# Altium PCB Hotbuton_timer.PcbDoc (part 1 of 2)
Units mm, origin at the board's own origin, x right, y up, seen from the top; angles counter-clockwise.
Board outline 110 x 110 mm, 2 copper layers (Top Layer, Bottom Layer), stack 1.448 mm thick; 464 components, 240 nets, 1320 pads, 0 vias.
Unrouted connection lines stored in the file: 1043.
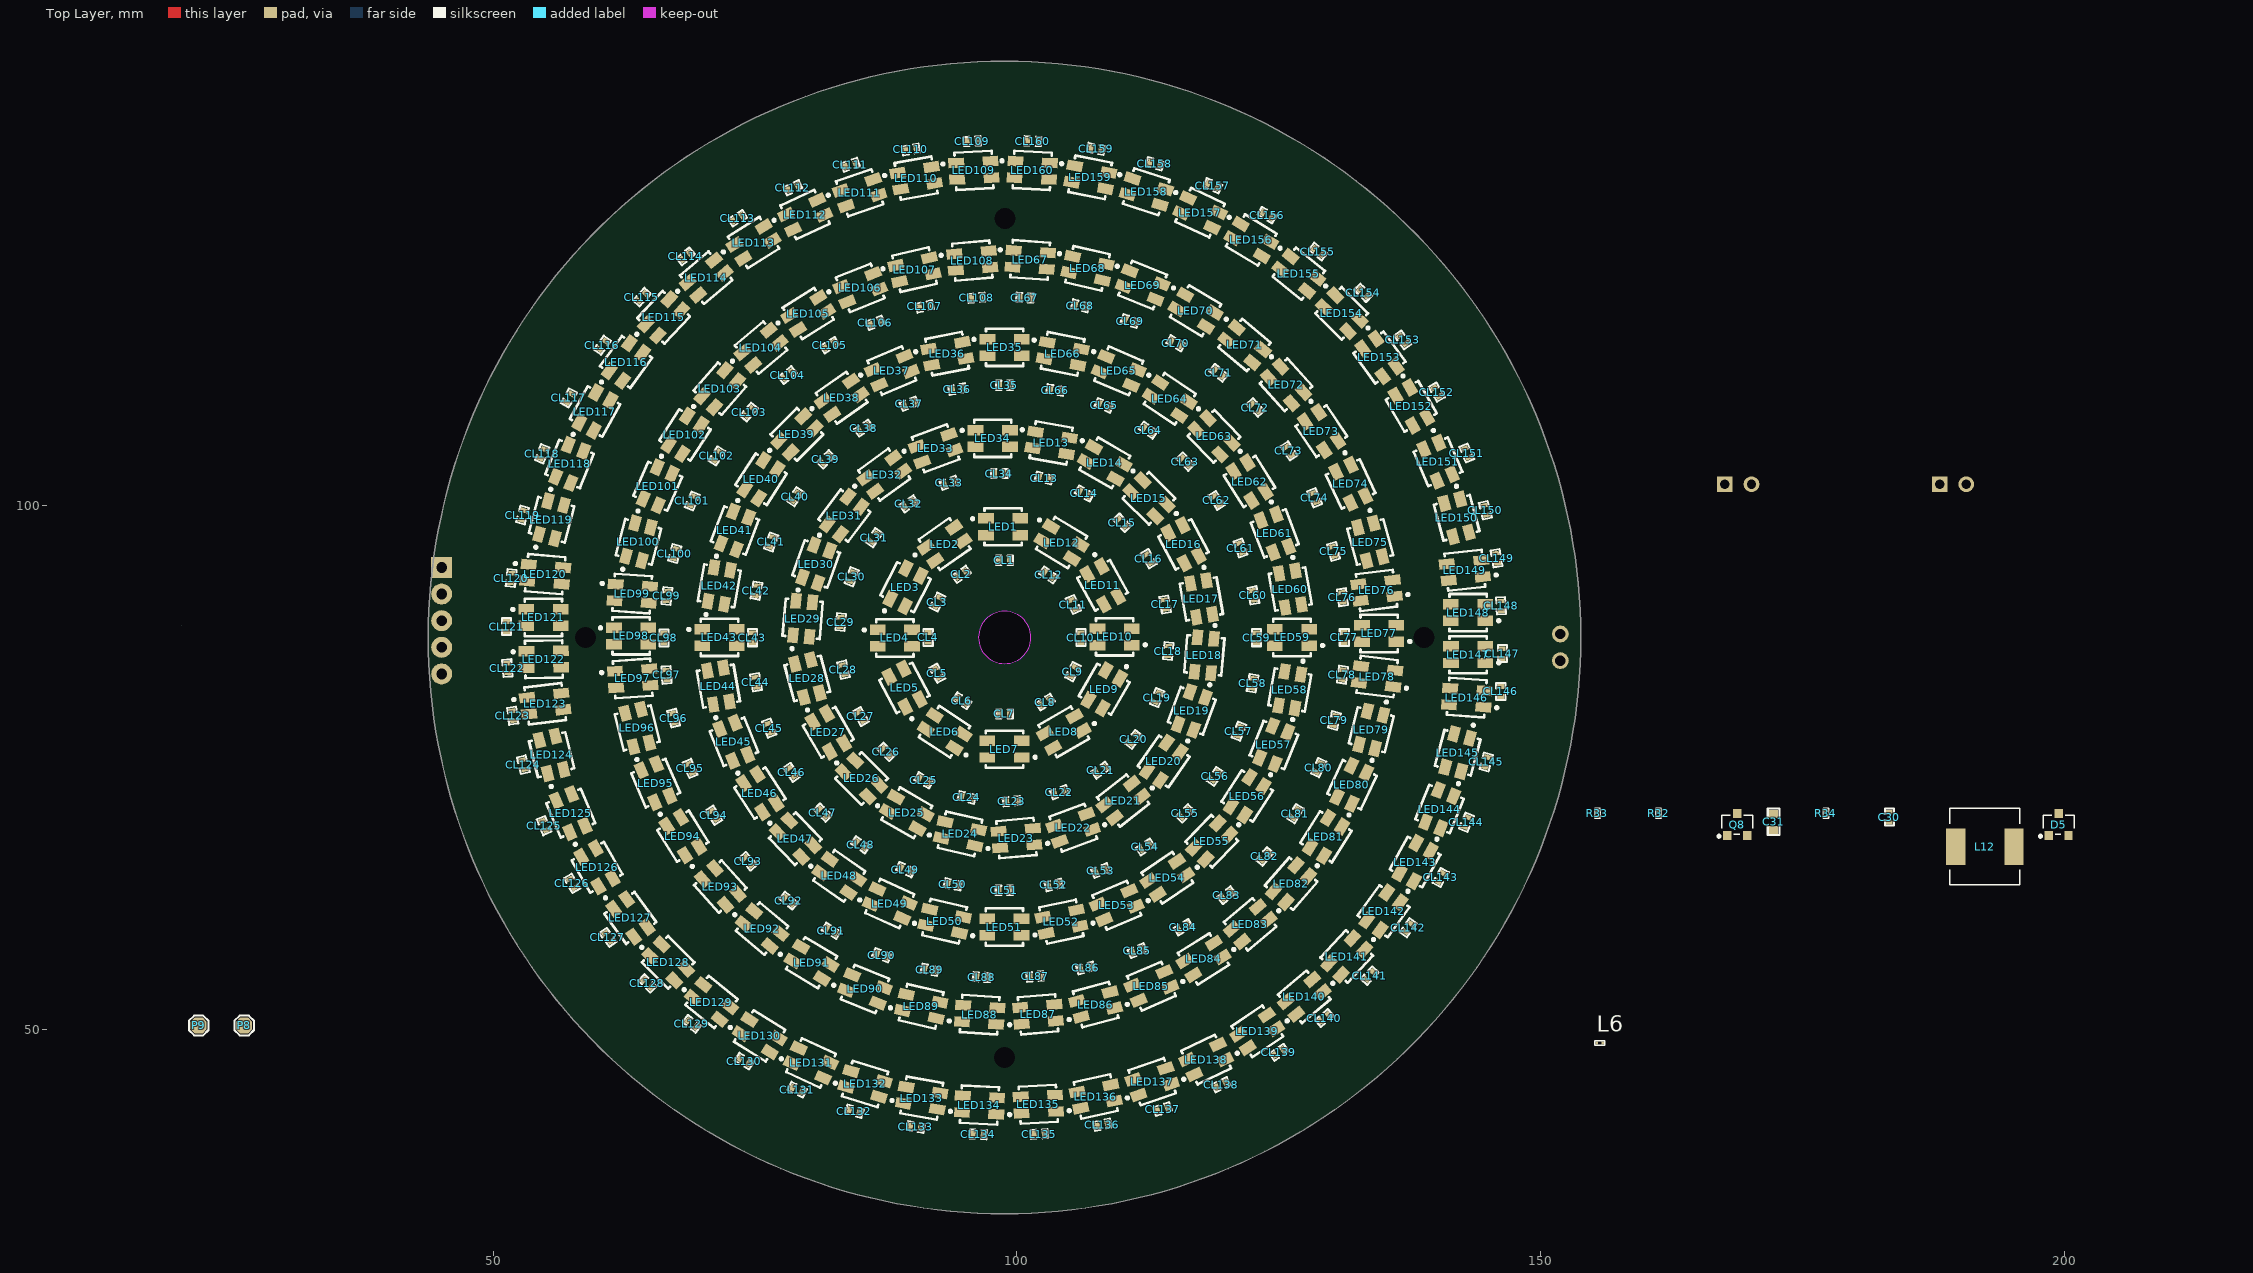
[diagram p0: Top Layer view]
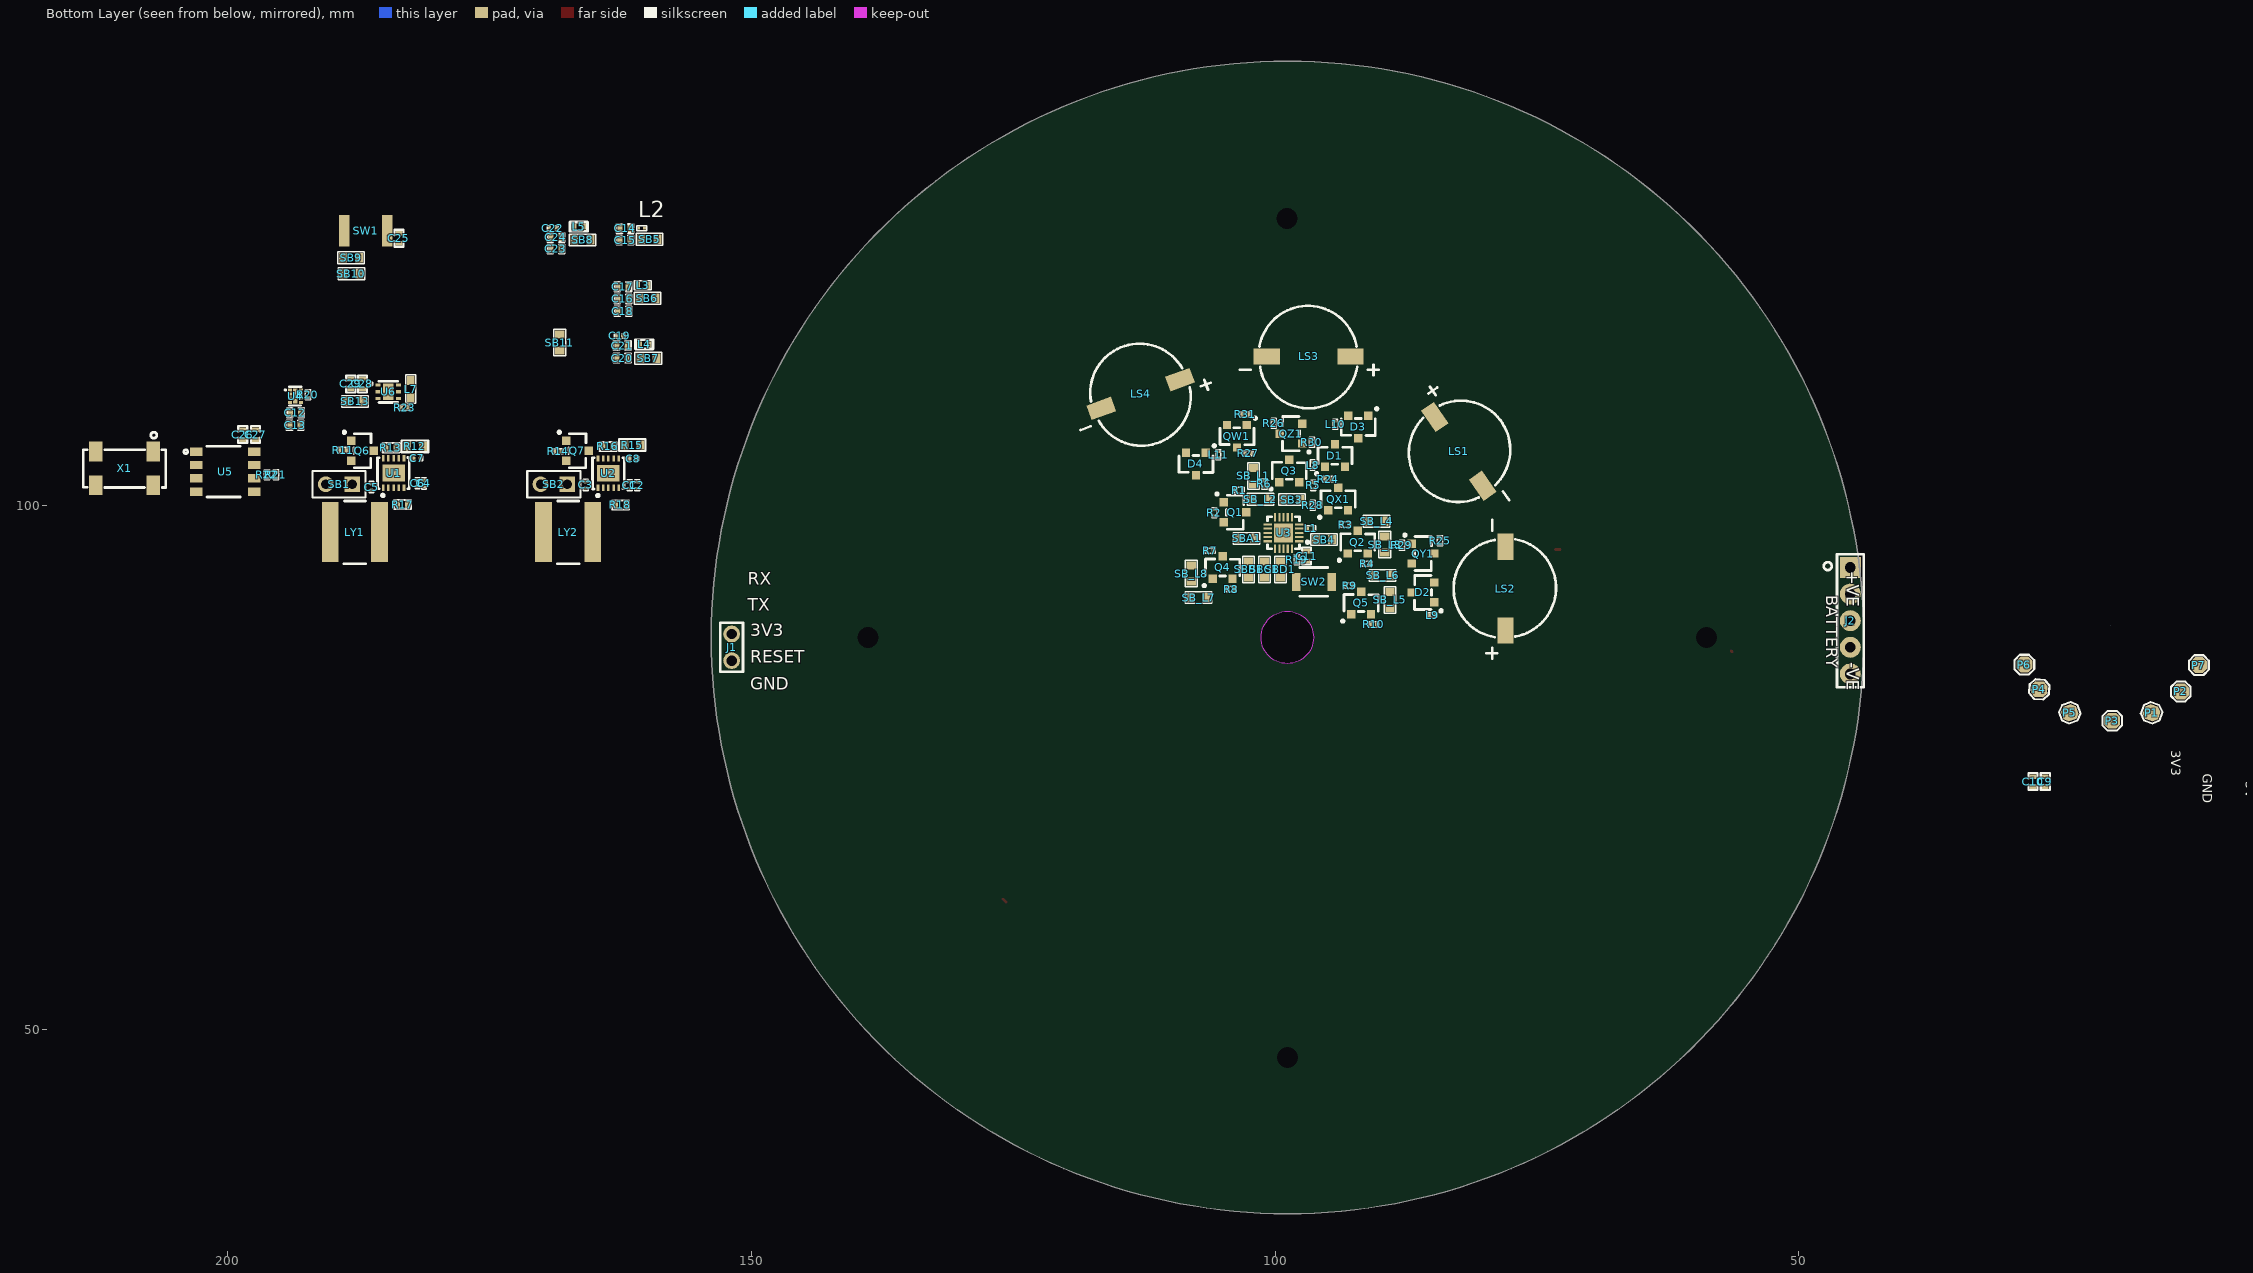
[diagram p1: Bottom Layer view, seen from below]

## Layer stack, top to bottom
Top Solder: solder mask 0.0762, Solder Resist, Dk 3.5
Top Layer: signal copper 0.254
Dielectric 1: dielectric 0.9398, FR-4, Dk 4.8
Bottom Layer: signal copper 0.254
Bottom Solder: solder mask 0.0762, Solder Resist, Dk 3.5

## Board outline
43.806,87.376 ccw(c98.806,87.376) 98.806,32.376 ccw(c98.806,87.376) 153.806,87.376 ccw(c98.806,87.376) 98.806,142.376 ccw(c98.806,87.376)
cut-out: 96.321,87.376 ccw(c98.821,87.376) 98.821,84.876 ccw(c98.821,87.376) 101.321,87.376 ccw(c98.821,87.376) 98.821,89.876 ccw(c98.821,87.376)
cut-out: 20.221,88.503

## Design rules (kind name [scope] priority, off if disabled: settings)
Clearance [All] p1: gap=0.127 ignorepadtopadclearanceinfootprint=FALSE except(0: Arc-Hole Track-Hole SMDPad-Hole THPad-Hole Via-Hole Fill-Hole Poly-Hole Region-Hole Text-Hole; 0.102: Arc-SMDPad Track-SMDPad SMDPad-SMDPad)
HoleSize [All] p1: absolutevalues=TRUE maxlimit=25.4 minlimit=0.025 maxpercent=80.000 minpercent=20.000
MinimumSolderMaskSliver [All] p1: minsoldermaskwidth=0
PolygonConnect [All] p1: connectstyle=Relief reliefconductorwidth=0.254 reliefentries=4 polygonreliefangle="90 Angle" airgapwidth=0.254
RoutingVias [All] p1: holewidth=0.3 width=0.6 viastyle="Through Hole" minholewidth=0.3 minwidth=0.6 maxholewidth=0.3 maxwidth=0.6
SilkToSilkClearance [All] p1: silktosilkclearance=0
SilkToSolderMaskClearance [IsPad] p1: minsilkscreentomaskgap=0 clearancetoexposedcopper=TRUE
SolderMaskExpansion [All] p1: expansion=0.102
Width [All] p1: maxlimit=0.635 minlimit=0.152 preferedwidth=0.254
26 further rules are at their usual default settings.

## Classes and differential pairs
component class U_SOUND_SEC: D1 D2 D3 D4 L8 L9 L10 L11 LS1 LS2 LS3 LS4 QW1 QX1 QY1 QZ1 R24 R25 R26 R27 R28 R29 R30 R31
component class U_SEC_POWER: C28 C29 L7 R23 SB13 U6
component class U_RTC_SEC: C26 C27 L6 R21 R22 U5 X1
component class "U_Ring 5_D": LED149 LED150 LED151 LED152 LED153 LED154 LED155 LED156 LED157 LED158 LED159 LED160
component class "U_Ring 5_C": LED137 LED138 LED139 LED140 LED141 LED142 LED143 LED144 LED145 LED146 LED147 LED148
component class "U_Ring 5_A": LED109 LED110 LED111 LED112 LED113 LED114 LED115 LED116 LED117 LED118 LED119 LED120 LED121 LED122 SB_L5 SB_L6
component class "U_Ring 4_C": LED96 LED97 LED98 LED99 LED100 LED101 LED102 LED103 LED104 LED105 LED106 LED107 LED108
component class "U_Ring 4_B": LED83 LED84 LED85 LED86 LED87 LED88 LED89 LED90 LED91 LED92 LED93 LED94 LED95
component class "U_Ring 3_C": LED58 LED59 LED60 LED61 LED62 LED63 LED64 LED65 LED66
component class "U_Ring 3_B": LED47 LED48 LED49 LED50 LED51 LED52 LED53 LED54 LED55 LED56 LED57
component class "U_Ring 3_A": LED35 LED36 LED37 LED38 LED39 LED40 LED41 LED42 LED43 LED44 LED45 LED46 SB_L3 SB_L4
component class "U_Ring 2_A": LED13 LED14 LED15 LED16 LED17 LED18 LED19 LED20 LED21 LED22
component class "U_Ring 1": LED1 LED2 LED3 LED4 LED5 LED6 LED7 LED8 LED9 LED10 LED11 LED12 SB_L1 SB_L2
component class U_POWER_SWITCH: C14 C15 C16 C17 C18 C19 C20 C21 C22 C23 C24 C25 L2 L3 L4 L5 SB5 SB6 SB7 SB8 SB9 SB10 SB11 SW1
component class U_MCU_POWER: C12 C13 R20 U4
component class U_MAIN_CONN: C9 C10 C11 P8 P9 R19 SB3 SB4 SBA1 SBB1 SBC1 SBD1 SW2 U3
component class "U_LED_POWER 2": C30 C31 D5 L12 Q8 R32 R33 R34
component class "U_Decoup_Cap 2": CL81 CL82 CL83 CL84 CL85 CL86 CL87 CL88 CL89 CL90 CL91 CL92 CL93 CL94 CL95 CL96 CL97 CL98 CL99 CL100 CL101 CL102 CL103 CL104 CL105 CL106 CL107 CL108 CL109 CL110 CL111 CL112 CL113 CL114 CL115 CL116 CL117 CL118 CL119 CL120 CL121 CL122 CL123 CL124 CL125 CL126 CL127 CL128 CL129 CL130 CL131 CL132 CL133 CL134 CL135 CL136 CL137 CL138 CL139 CL140 CL141 CL142 CL143 CL144 CL145 CL146 CL147 CL148 CL149 CL150 CL151 CL152 CL153 CL154 CL155 CL156 CL157 CL158 CL159 CL160
component class "U_Decoup_Cap 1": CL1 CL2 CL3 CL4 CL5 CL6 CL7 CL8 CL9 CL10 CL11 CL12 CL13 CL14 CL15 CL16 CL17 CL18 CL19 CL20 CL21 CL22 CL23 CL24 CL25 CL26 CL27 CL28 CL29 CL30 CL31 CL32 CL33 CL34 CL35 CL36 CL37 CL38 CL39 CL40 CL41 CL42 CL43 CL44 CL45 CL46 CL47 CL48 CL49 CL50 CL51 CL52 CL53 CL54 CL55 CL56 CL57 CL58 CL59 CL60 CL61 CL62 CL63 CL64 CL65 CL66 CL67 CL68 CL69 CL70 CL71 CL72 CL73 CL74 CL75 CL76 CL77 CL78 CL79 CL80
component class "U_Connector Section": J1 J2
component class "U_Ring 5_B": LED123 LED124 LED125 LED126 LED127 LED128 LED129 LED130 LED131 LED132 LED133 LED134 LED135 LED136
component class U_LED_POWER: C1 C2 C3 C4 C5 C6 C7 C8 LY1 LY2 Q6 Q7 R11 R12 R13 R14 R15 R16 R17 R18 R? SB1 SB2 U1 U2 U?
component class "U_Ring 2_B": LED23 LED24 LED25 LED26 LED27 LED28 LED29 LED30 LED31 LED32 LED33 LED34
component class "U_Ring 4_A": LED67 LED68 LED69 LED70 LED71 LED72 LED73 LED74 LED75 LED76 LED77 LED78 LED79 LED80 LED81 LED82 SB_L7 SB_L8
component class U_LED_CONV_SIG: Q1 Q2 Q3 Q4 Q5 R1 R2 R3 R4 R5 R6 R7 R8 R9 R10
component class "U_Power Section": P1 P2 P3 P4 P5 P6 P7

## Components (designator, comment, footprint, x,y, rotation, side; value= is the part's Value field where it differs from the comment)
C1 "22uF" "CAP 0201" 161.574,101.905 r270 bottom
C2 "22uF" "CAP 0201" 160.858,101.905 r270 bottom
C3 "22uF" "CAP 0201" 165.786,101.93 r270 bottom
C4 "22uF" "CAP 0201" 181.229,102.078 r270 bottom
C5 "22uF" "CAP 0201" 186.233,101.732 r270 bottom
C6 "22uF" "CAP 0201" 181.839,102.083 r270 bottom
C7 "10nF" "CAP 0201" 181.889,104.47 r180 bottom
C8 "10nF" "CAP 0201" 161.265,104.451 r180 bottom
C9 "100nF" Cap0402 26.479,73.611 r270 bottom
C10 "1µF" Cap0402 27.648,73.611 r270 bottom
C11 "100nF" Cap0402 96.99,95.15 r270 bottom
C12 "100nF" Cap0402 193.495,108.827 r0 bottom
C13 "1µF" Cap0402 193.52,107.633 r0 bottom
C14 "100nF" Cap0402 162.027,126.416 r0 bottom
C15 "1µF" Cap0402 162.039,125.298 r0 bottom
C16 "2.2uF" Cap0402 162.243,119.685 r0 bottom
C17 "100nF" Cap0402 162.243,120.853 r0 bottom
C18 "1µF" Cap0402 162.243,118.516 r0 bottom
C19 "22uF" "CAP 0201" 162.555,116.154 r0 bottom
C20 "100nF" Cap0402 162.306,114.046 r0 bottom
C21 "1µF" Cap0402 162.306,115.24 r0 bottom
C22 "22uF" "CAP 0201" 168.935,126.441 r0 bottom
C23 "100nF" Cap0402 168.631,124.46 r0 bottom
C24 "1µF" Cap0402 168.631,125.552 r0 bottom
C25 "1µF" Cap0402 183.617,125.476 r90 bottom
C26 "100nF" Cap0402 198.526,106.731 r270 bottom
C27 "1µF" Cap0402 197.307,106.731 r270 bottom
C28 "4.7uF" Cap0402 187.096,111.582 r270 bottom
C29 "1µF" Cap0402 188.214,111.582 r270 bottom
C30 "0.1uF" Cap0402 183.261,70.231 r90 top
C31 "10uF" Cap0603 172.212,69.774 r90 top
CL1 "100nF" Cap0402 98.806,94.742 r180 top
CL2 "100nF" Cap0402 94.691,93.396 r35 top
CL3 "100nF" Cap0402 92.405,90.754 r63 top
CL4 "100nF" Cap0402 91.526,87.389 r270 top
CL5 "100nF" Cap0402 92.385,83.972 r299 top
CL6 "100nF" Cap0402 94.746,81.341 r326 top
CL7 "100nF" Cap0402 98.806,80.086 r0 top
CL8 "100nF" Cap0402 102.692,81.204 r33 top
CL9 "100nF" Cap0402 105.334,84.109 r63 top
CL10 "100nF" Cap0402 106.096,87.363 r90 top
CL11 "100nF" Cap0402 105.389,90.52 r115 top
CL12 "100nF" Cap0402 103.022,93.345 r145 top
CL13 "100nF" Cap0402 102.591,102.591 r345 top
CL14 "100nF" Cap0402 106.426,101.117 r330 top
CL15 "100nF" Cap0402 110.033,98.323 r314 top
CL16 "100nF" Cap0402 112.573,94.894 r300 top
CL17 "100nF" Cap0402 114.148,90.521 r280 top
CL18 "100nF" Cap0402 114.427,86.081 r265 top
CL19 "100nF" Cap0402 113.386,81.636 r248 top
CL20 "100nF" Cap0402 111.125,77.648 r232 top
CL21 "100nF" Cap0402 108.001,74.701 r215 top
CL22 "100nF" Cap0402 104.038,72.593 r200 top
CL23 "100nF" Cap0402 99.492,71.73 r185 top
CL24 "100nF" Cap0402 95.199,72.111 r166 top
CL25 "100nF" Cap0402 91.11,73.736 r150 top
CL26 "100nF" Cap0402 87.528,76.454 r135 top
CL27 "100nF" Cap0402 85.09,79.832 r120 top
CL28 "100nF" Cap0402 83.439,84.303 r104 top
CL29 "100nF" Cap0402 83.181,88.849 r86 top
CL30 "100nF" Cap0402 84.226,93.167 r69 top
CL31 "100nF" Cap0402 86.36,96.901 r55 top
CL32 "100nF" Cap0402 89.687,100.127 r35 top
CL33 "100nF" Cap0402 93.523,102.133 r20 top
CL34 "100nF" Cap0402 98.323,103.022 r0 top
CL35 "100nF" Cap0402 98.793,111.449 r180 top
CL36 "100nF" Cap0402 94.305,111.069 r190 top
CL37 "100nF" Cap0402 89.713,109.677 r202 top
CL38 "100nF" Cap0402 85.369,107.357 r215 top
CL39 "100nF" Cap0402 81.763,104.369 r225 top
CL40 "100nF" Cap0402 78.842,100.813 r236 top
CL41 "100nF" Cap0402 76.556,96.495 r250 top
CL42 "100nF" Cap0402 75.133,91.846 r80 top
CL43 "100nF" Cap0402 74.752,87.351 r270 top
CL44 "100nF" Cap0402 75.082,83.109 r280 top
CL45 "100nF" Cap0402 76.352,78.715 r290 top
CL46 "100nF" Cap0402 78.486,74.498 r305 top
CL47 "100nF" Cap0402 81.465,70.663 r315 top
CL48 "100nF" Cap0402 85.065,67.589 r325 top
CL49 "100nF" Cap0402 89.357,65.227 r335 top
CL50 "100nF" Cap0402 93.878,63.805 r348 top
CL51 "100nF" Cap0402 98.781,63.246 r0 top
CL52 "100nF" Cap0402 103.505,63.754 r13 top
CL53 "100nF" Cap0402 107.975,65.126 r202 top
CL54 "100nF" Cap0402 112.243,67.379 r214 top
CL55 "100nF" Cap0402 116.044,70.587 r225 top
CL56 "100nF" Cap0402 118.923,74.113 r235 top
CL57 "100nF" Cap0402 121.183,78.435 r248 top
CL58 "100nF" Cap0402 122.499,83.002 r260 top
CL59 "100nF" Cap0402 122.86,87.351 r90 top
CL60 "100nF" Cap0402 122.555,91.389 r100 top
CL61 "100nF" Cap0402 121.336,95.91 r110 top
CL62 "100nF" Cap0402 119.05,100.451 r123 top
CL63 "100nF" Cap0402 116.078,104.165 r135 top
CL64 "100nF" Cap0402 112.522,107.165 r145 top
CL65 "100nF" Cap0402 108.306,109.525 r157 top
CL66 "100nF" Cap0402 103.657,110.973 r170 top
CL67 "100nF" Cap0402 100.762,119.812 r177 top
CL68 "100nF" Cap0402 106.045,119.024 r165 top
CL69 "100nF" Cap0402 110.795,117.577 r160 top
CL70 "100nF" Cap0402 115.164,115.457 r150 top
CL71 "100nF" Cap0402 119.253,112.624 r140 top
CL72 "100nF" Cap0402 122.758,109.322 r133 top
CL73 "100nF" Cap0402 125.959,105.181 r123 top
CL74 "100nF" Cap0402 128.397,100.711 r113 top
CL75 "100nF" Cap0402 130.22,95.584 r285 top
CL76 "100nF" Cap0402 131.064,91.211 r277 top
CL77 "100nF" Cap0402 131.242,87.377 r90 top
CL78 "100nF" Cap0402 131.064,83.82 r83 top
CL79 "100nF" Cap0402 130.302,79.451 r76 top
CL80 "100nF" Cap0402 128.795,74.955 r65 top
CL81 "100nF" Cap0402 126.568,70.561 r238 top
CL82 "100nF" Cap0402 123.647,66.472 r229 top
CL83 "100nF" Cap0402 120.015,62.789 r40 top
CL84 "100nF" Cap0402 115.875,59.715 r32 top
CL85 "100nF" Cap0402 111.481,57.48 r23 top
CL86 "100nF" Cap0402 106.553,55.829 r15 top
CL87 "100nF" Cap0402 101.727,55.016 r5 top
CL88 "100nF" Cap0402 96.622,54.966 r356 top
CL89 "100nF" Cap0402 91.669,55.651 r347 top
CL90 "100nF" Cap0402 87.097,57.048 r338 top
CL91 "100nF" Cap0402 82.271,59.385 r329 top
CL92 "100nF" Cap0402 78.207,62.255 r320 top
CL93 "100nF" Cap0402 74.346,66.015 r312 top
CL94 "100nF" Cap0402 71.069,70.409 r302 top
CL95 "100nF" Cap0402 68.809,74.879 r293 top
CL96 "100nF" Cap0402 67.234,79.68 r284 top
CL97 "100nF" Cap0402 66.548,83.795 r274 top
CL98 "100nF" Cap0402 66.294,87.325 r270 top
CL99 "100nF" Cap0402 66.581,91.338 r263 top
CL100 "100nF" Cap0402 67.335,95.377 r255 top
CL101 "100nF" Cap0402 69.012,100.402 r246 top
CL102 "100nF" Cap0402 71.349,104.701 r237 top
CL103 "100nF" Cap0402 74.422,108.89 r229 top
CL104 "100nF" Cap0402 78.105,112.42 r220 top
CL105 "100nF" Cap0402 82.118,115.265 r212 top
CL106 "100nF" Cap0402 86.487,117.416 r202 top
CL107 "100nF" Cap0402 91.186,118.974 r193 top
CL108 "100nF" Cap0402 96.139,119.786 r185 top
CL109 "100nF" Cap0402 95.733,134.747 r183 top
CL110 "100nF" Cap0402 89.865,133.96 r190 top
CL111 "100nF" Cap0402 84.099,132.486 r199 top
CL112 "100nF" Cap0402 78.613,130.302 r205 top
CL113 "100nF" Cap0402 73.33,127.381 r212 top
CL114 "100nF" Cap0402 68.377,123.749 r220 top
CL115 "100nF" Cap0402 64.204,119.863 r227 top
CL116 "100nF" Cap0402 60.427,115.265 r234 top
CL117 "100nF" Cap0402 57.226,110.236 r241 top
CL118 "100nF" Cap0402 54.686,104.9 r248 top
CL119 "100nF" Cap0402 52.807,99.06 r255 top
CL120 "100nF" Cap0402 51.714,93.04 r84 top
CL121 "100nF" Cap0402 51.283,88.417 r90 top
CL122 "100nF" Cap0402 51.359,84.455 r94 top
CL123 "100nF" Cap0402 51.867,79.907 r97 top
CL124 "100nF" Cap0402 52.883,75.235 r284 top
CL125 "100nF" Cap0402 54.862,69.418 r293 top
CL126 "100nF" Cap0402 57.531,63.906 r300 top
CL127 "100nF" Cap0402 60.96,58.75 r306 top
CL128 "100nF" Cap0402 64.719,54.356 r315 top
CL129 "100nF" Cap0402 68.961,50.495 r321 top
CL130 "100nF" Cap0402 73.965,46.939 r328 top
CL131 "100nF" Cap0402 79.019,44.221 r334 top
CL132 "100nF" Cap0402 84.48,42.164 r343 top
CL133 "100nF" Cap0402 90.328,40.665 r350 top
CL134 "100nF" Cap0402 96.291,39.954 r357 top
CL135 "100nF" Cap0402 102.133,39.98 r3 top
CL136 "100nF" Cap0402 108.151,40.869 r12 top
CL137 "100nF" Cap0402 113.894,42.367 r19 top
CL138 "100nF" Cap0402 119.482,44.679 r26 top
CL139 "100nF" Cap0402 124.993,47.777 r34 top
CL140 "100nF" Cap0402 129.337,51.054 r40 top
CL141 "100nF" Cap0402 133.655,55.093 r47 top
CL142 "100nF" Cap0402 137.338,59.665 r54 top
CL143 "100nF" Cap0402 140.437,64.465 r61 top
CL144 "100nF" Cap0402 142.902,69.745 r68 top
CL145 "100nF" Cap0402 144.78,75.489 r75 top
CL146 "100nF" Cap0402 146.177,82.22 r90 top
CL147 "100nF" Cap0402 146.329,85.827 r90 top
CL148 "100nF" Cap0402 146.202,90.386 r273 top
CL149 "100nF" Cap0402 145.771,94.945 r99 top
CL150 "100nF" Cap0402 144.704,99.517 r105 top
CL151 "100nF" Cap0402 142.926,104.978 r113 top
CL152 "100nF" Cap0402 140.056,110.794 r120 top
CL153 "100nF" Cap0402 136.804,115.773 r126 top
CL154 "100nF" Cap0402 133.045,120.269 r135 top
CL155 "100nF" Cap0402 128.727,124.206 r141 top
CL156 "100nF" Cap0402 123.876,127.686 r149 top
CL157 "100nF" Cap0402 118.669,130.501 r155 top
CL158 "100nF" Cap0402 113.157,132.588 r162 top
CL159 "100nF" Cap0402 107.544,134.01 r169 top
CL160 "100nF" Cap0402 101.514,134.747 r357 top
D1 "BAL74,215" SOT23-3 94.274,104.732 r180 bottom
D2 "BAL74,215" SOT23-3 85.877,91.669 r90 bottom
D3 "BAL74,215" SOT23-3 92.05,107.467 r0 bottom
D4 "BAL74,215" SOT23-3 107.544,103.937 r0 bottom
D5 "SSM3J334R,LF" SOT-23F 199.415,69.52 r0 top
J1 "THT PADS" "THT PAD" 151.867,87.706 r270 bottom locked
J2 "PZ254V-11-05P" PZ254V-11-05P 45.085,88.976 r270 bottom locked
L1 "MMZ0603S601CT000" "IND 0201" 96.583,97.791 r0 bottom
L2 "MMZ0603S601CT000" "IND 0201" 160.456,126.441 r0 bottom
L3 "GZ1005D100TF" "IND 0402 (1005 Metric)" 160.325,120.98 r0 bottom value=Custom
L4 "HCB1005MF-100T25" HCB1005MF-100T25 159.755,115.341 r0 bottom
L5 "HCB1005MF-100T25" HCB1005MF-100T25 166.003,126.594 r0 bottom
L6 "MMZ0603S601CT000" "IND 0201" 155.626,48.666 r0 top
L7 "1uH" "IND 0603" 182.499,111.086 r270 bottom
L8 "MMZ0603S601CT000" "IND 0201" 96.417,103.835 r270 bottom
L9 "MMZ0603S601CT000" "IND 0201" 84.984,89.51 r180 bottom
L10 "MMZ0603S601CT000" "IND 0201" 94.259,107.721 r90 bottom
L11 "MMZ0603S601CT000" "IND 0201" 105.41,104.83 r90 bottom
L12 "MCS0630-100MN1" MCS0630-100MN1 192.38,67.412 r0 top value=10uH
LED1 "WS2812B-Mini" WS2812B-Mini 98.679,97.942 r0 top locked
LED2 "WS2812B-Mini" WS2812B-Mini 93.091,96.291 r35 top locked
LED3 "WS2812B-Mini" WS2812B-Mini 89.357,92.177 r63 top locked
LED4 "WS2812B-Mini" WS2812B-Mini 88.341,87.325 r0 top locked
LED5 "WS2812B-Mini" WS2812B-Mini 89.268,82.566 r118 top locked
LED6 "WS2812B-Mini" WS2812B-Mini 93.091,78.384 r147 top locked
LED7 "WS2812B-Mini" WS2812B-Mini 98.806,76.708 r180 top locked
LED8 "WS2812B-Mini" WS2812B-Mini 104.47,78.359 r210 top locked
LED9 "WS2812B-Mini" WS2812B-Mini 108.325,82.439 r240 top locked
LED10 "WS2812B-Mini" WS2812B-Mini 109.322,87.427 r180 top locked
LED11 "WS2812B-Mini" WS2812B-Mini 108.179,92.354 r299 top locked
LED12 "WS2812B-Mini" WS2812B-Mini 104.251,96.429 r329 top locked
LED13 "WS2812B-Mini" WS2812B-Mini 103.251,105.943 r350 top locked
LED14 "WS2812B-Mini" WS2812B-Mini 108.382,104.038 r330 top locked
LED15 "WS2812B-Mini" WS2812B-Mini 112.598,100.66 r315 top locked
LED16 "WS2812B-Mini" WS2812B-Mini 115.9,96.266 r298 top locked
LED17 "WS2812B-Mini" WS2812B-Mini 117.602,91.059 r280 top locked
LED18 "WS2812B-Mini" WS2812B-Mini 117.881,85.674 r265 top locked
LED19 "WS2812B-Mini" WS2812B-Mini 116.688,80.366 r250 top locked
LED20 "WS2812B-Mini" WS2812B-Mini 113.995,75.54 r235 top locked
LED21 "WS2812B-Mini" WS2812B-Mini 110.134,71.806 r218 top locked
LED22 "WS2812B-Mini" WS2812B-Mini 105.359,69.215 r200 top locked
LED23 "WS2812B-Mini" WS2812B-Mini 99.949,68.224 r185 top locked
LED24 "WS2812B-Mini" WS2812B-Mini 94.564,68.631 r167 top locked
LED25 "WS2812B-Mini" WS2812B-Mini 89.484,70.637 r150 top locked
LED26 "WS2812B-Mini" WS2812B-Mini 85.166,73.914 r135 top locked
LED27 "WS2812B-Mini" WS2812B-Mini 81.991,78.308 r120 top locked
LED28 "WS2812B-Mini" WS2812B-Mini 79.985,83.464 r105 top locked
LED29 "WS2812B-Mini" WS2812B-Mini 79.544,89.155 r85 top locked
LED30 "WS2812B-Mini" WS2812B-Mini 80.823,94.386 r70 top locked
LED31 "WS2812B-Mini" WS2812B-Mini 83.515,99.009 r53 top locked
LED32 "WS2812B-Mini" WS2812B-Mini 87.325,102.921 r36 top locked
LED33 "WS2812B-Mini" WS2812B-Mini 92.227,105.435 r20 top locked
LED34 "WS2812B-Mini" WS2812B-Mini 97.688,106.375 r0 top locked
LED35 "WS2812B-Mini" WS2812B-Mini 98.817,115.065 r0 top locked
LED36 "WS2812B-Mini" WS2812B-Mini 93.337,114.458 r11 top locked
LED37 "WS2812B-Mini" WS2812B-Mini 88.062,112.852 r23 top locked
LED38 "WS2812B-Mini" WS2812B-Mini 83.261,110.261 r35 top locked
LED39 "WS2812B-Mini" WS2812B-Mini 78.994,106.756 r45 top locked
LED40 "WS2812B-Mini" WS2812B-Mini 75.578,102.479 r57 top locked
LED41 "WS2812B-Mini" WS2812B-Mini 73.076,97.587 r69 top locked
LED42 "WS2812B-Mini" WS2812B-Mini 71.577,92.304 r80 top locked
LED43 "WS2812B-Mini" WS2812B-Mini 71.603,87.376 r0 top locked
LED44 "WS2812B-Mini" WS2812B-Mini 71.501,82.728 r100 top locked
LED45 "WS2812B-Mini" WS2812B-Mini 72.974,77.419 r112 top locked
LED46 "WS2812B-Mini" WS2812B-Mini 75.463,72.517 r123 top locked
LED47 "WS2812B-Mini" WS2812B-Mini 78.842,68.174 r134 top locked
LED48 "WS2812B-Mini" WS2812B-Mini 83.033,64.618 r145 top locked
LED49 "WS2812B-Mini" WS2812B-Mini 87.859,61.976 r156 top locked
LED50 "WS2812B-Mini" WS2812B-Mini 93.091,60.3 r167 top locked
LED51 "WS2812B-Mini" WS2812B-Mini 98.795,59.738 r180 top locked
LED52 "WS2812B-Mini" WS2812B-Mini 104.242,60.249 r192 top locked
LED53 "WS2812B-Mini" WS2812B-Mini 109.532,61.82 r203 top locked
LED54 "WS2812B-Mini" WS2812B-Mini 114.351,64.44 r214 top locked
LED55 "WS2812B-Mini" WS2812B-Mini 118.587,67.924 r226 top locked
LED56 "WS2812B-Mini" WS2812B-Mini 121.971,72.238 r237 top locked
LED57 "WS2812B-Mini" WS2812B-Mini 124.511,77.114 r248 top locked
LED58 "WS2812B-Mini" WS2812B-Mini 126.039,82.367 r260 top locked
LED59 "WS2812B-Mini" WS2812B-Mini 126.249,87.373 r180 top locked
LED60 "WS2812B-Mini" WS2812B-Mini 126.086,91.999 r280 top locked
LED61 "WS2812B-Mini" WS2812B-Mini 124.608,97.311 r291 top locked
LED62 "WS2812B-Mini" WS2812B-Mini 122.199,102.26 r302 top locked
LED63 "WS2812B-Mini" WS2812B-Mini 118.805,106.57 r314 top locked
LED64 "WS2812B-Mini" WS2812B-Mini 114.581,110.143 r326 top locked
LED65 "WS2812B-Mini" WS2812B-Mini 109.713,112.817 r337 top locked
LED66 "WS2812B-Mini" WS2812B-Mini 104.357,114.449 r349 top locked
LED67 "WS2812B-Mini" WS2812B-Mini 101.259,123.406 r356 top locked
LED68 "WS2812B-Mini" WS2812B-Mini 106.731,122.606 r347 top locked
LED69 "WS2812B-Mini" WS2812B-Mini 111.996,121.009 r338 top locked
LED70 "WS2812B-Mini" WS2812B-Mini 117.043,118.567 r329 top locked
LED71 "WS2812B-Mini" WS2812B-Mini 121.717,115.291 r320 top locked
LED72 "WS2812B-Mini" WS2812B-Mini 125.679,111.484 r312 top locked
LED73 "WS2812B-Mini" WS2812B-Mini 129.057,107.061 r304 top locked
LED74 "WS2812B-Mini" WS2812B-Mini 131.851,102.032 r295 top locked
LED75 "WS2812B-Mini" WS2812B-Mini 133.715,96.486 r285 top locked
LED76 "WS2812B-Mini" WS2812B-Mini 134.315,91.872 r187 top locked
LED77 "WS2812B-Mini" WS2812B-Mini 134.569,87.757 r180 top locked
LED78 "WS2812B-Mini" WS2812B-Mini 134.366,83.642 r173 top locked
LED79 "WS2812B-Mini" WS2812B-Mini 133.807,78.562 r256 top locked
LED80 "WS2812B-Mini" WS2812B-Mini 131.966,73.32 r245 top locked
LED81 "WS2812B-Mini" WS2812B-Mini 129.489,68.351 r238 top locked
LED82 "WS2812B-Mini" WS2812B-Mini 126.162,63.881 r229 top locked
LED83 "WS2812B-Mini" WS2812B-Mini 122.25,59.995 r220 top locked
LED84 "WS2812B-Mini" WS2812B-Mini 117.805,56.693 r212 top locked
LED85 "WS2812B-Mini" WS2812B-Mini 112.835,54.099 r203 top locked
LED86 "WS2812B-Mini" WS2812B-Mini 107.51,52.33 r195 top locked
LED87 "WS2812B-Mini" WS2812B-Mini 102.006,51.41 r185 top locked
LED88 "WS2812B-Mini" WS2812B-Mini 96.438,51.372 r176 top locked
LED89 "WS2812B-Mini" WS2812B-Mini 90.856,52.172 r167 top locked
LED90 "WS2812B-Mini" WS2812B-Mini 85.496,53.823 r158 top locked
LED91 "WS2812B-Mini" WS2812B-Mini 80.391,56.337 r149 top locked
LED92 "WS2812B-Mini" WS2812B-Mini 75.667,59.588 r140 top locked
LED93 "WS2812B-Mini" WS2812B-Mini 71.679,63.602 r132 top locked
LED94 "WS2812B-Mini" WS2812B-Mini 68.11,68.403 r122 top locked
LED95 "WS2812B-Mini" WS2812B-Mini 65.507,73.482 r113 top locked
LED96 "WS2812B-Mini" WS2812B-Mini 63.754,78.74 r104 top locked
LED97 "WS2812B-Mini" WS2812B-Mini 63.322,83.464 r4 top locked
LED98 "WS2812B-Mini" WS2812B-Mini 63.17,87.528 r0 top locked
LED99 "WS2812B-Mini" WS2812B-Mini 63.271,91.567 r356 top locked
LED100 "WS2812B-Mini" WS2812B-Mini 63.865,96.503 r75 top locked
LED101 "WS2812B-Mini" WS2812B-Mini 65.71,101.803 r66 top locked
LED102 "WS2812B-Mini" WS2812B-Mini 68.301,106.705 r57 top locked
LED103 "WS2812B-Mini" WS2812B-Mini 71.628,111.125 r49 top locked
LED104 "WS2812B-Mini" WS2812B-Mini 75.565,115.037 r40 top locked
LED105 "WS2812B-Mini" WS2812B-Mini 80.071,118.292 r32 top locked
LED106 "WS2812B-Mini" WS2812B-Mini 85.039,120.752 r22 top locked
LED107 "WS2812B-Mini" WS2812B-Mini 90.221,122.479 r13 top locked
LED108 "WS2812B-Mini" WS2812B-Mini 95.733,123.342 r5 top locked
LED109 "WS2812B-Mini" WS2812B-Mini 95.885,131.953 r3 top locked
LED110 "WS2812B-Mini" WS2812B-Mini 90.373,131.216 r10 top locked
LED111 "WS2812B-Mini" WS2812B-Mini 84.988,129.819 r19 top locked
LED112 "WS2812B-Mini" WS2812B-Mini 79.781,127.737 r25 top locked
LED113 "WS2812B-Mini" WS2812B-Mini 74.854,125.07 r32 top locked
LED114 "WS2812B-Mini" WS2812B-Mini 70.333,121.717 r40 top locked
LED115 "WS2812B-Mini" WS2812B-Mini 66.269,117.932 r47 top locked
LED116 "WS2812B-Mini" WS2812B-Mini 62.684,113.666 r54 top locked
LED117 "WS2812B-Mini" WS2812B-Mini 59.715,108.941 r61 top locked
LED118 "WS2812B-Mini" WS2812B-Mini 57.302,103.937 r68 top locked
LED119 "WS2812B-Mini" WS2812B-Mini 55.567,98.613 r75 top locked
LED120 "WS2812B-Mini" WS2812B-Mini 54.965,93.412 r355 top locked
LED121 "WS2812B-Mini" WS2812B-Mini 54.802,89.284 r0 top locked
LED122 "WS2812B-Mini" WS2812B-Mini 54.839,85.293 r1 top locked
LED123 "WS2812B-Mini" WS2812B-Mini 54.966,81.051 r7 top locked
LED124 "WS2812B-Mini" WS2812B-Mini 55.575,76.175 r104 top locked
LED125 "WS2812B-Mini" WS2812B-Mini 57.404,70.612 r113 top locked
LED126 "WS2812B-Mini" WS2812B-Mini 59.919,65.43 r120 top locked
LED127 "WS2812B-Mini" WS2812B-Mini 63.094,60.604 r126 top locked
LED128 "WS2812B-Mini" WS2812B-Mini 66.7,56.363 r135 top locked
LED129 "WS2812B-Mini" WS2812B-Mini 70.841,52.578 r141 top locked
LED130 "WS2812B-Mini" WS2812B-Mini 75.438,49.352 r148 top locked
LED131 "WS2812B-Mini" WS2812B-Mini 80.34,46.761 r155 top locked
LED132 "WS2812B-Mini" WS2812B-Mini 85.5,44.758 r163 top locked
LED133 "WS2812B-Mini" WS2812B-Mini 90.907,43.409 r170 top locked
LED134 "WS2812B-Mini" WS2812B-Mini 96.418,42.748 r177 top locked
LED135 "WS2812B-Mini" WS2812B-Mini 102.032,42.824 r183 top locked
LED136 "WS2812B-Mini" WS2812B-Mini 107.518,43.561 r192 top locked
LED137 "WS2812B-Mini" WS2812B-Mini 112.907,44.974 r199 top locked
LED138 "WS2812B-Mini" WS2812B-Mini 118.059,47.092 r206 top locked
LED139 "WS2812B-Mini" WS2812B-Mini 122.938,49.776 r214 top locked
LED140 "WS2812B-Mini" WS2812B-Mini 127.42,53.069 r220 top locked
LED141 "WS2812B-Mini" WS2812B-Mini 131.47,56.921 r227 top locked
LED142 "WS2812B-Mini" WS2812B-Mini 134.988,61.238 r234 top locked
LED143 "WS2812B-Mini" WS2812B-Mini 137.998,65.938 r241 top locked
LED144 "WS2812B-Mini" WS2812B-Mini 140.335,70.993 r248 top locked
LED145 "WS2812B-Mini" WS2812B-Mini 142.062,76.378 r255 top locked
LED146 "WS2812B-Mini" WS2812B-Mini 142.926,81.636 r176 top locked
LED147 "WS2812B-Mini" WS2812B-Mini 143.064,85.728 r180 top locked
LED148 "WS2812B-Mini" WS2812B-Mini 143.053,89.738 r180 top locked
LED149 "WS2812B-Mini" WS2812B-Mini 142.748,93.782 r186 top locked
LED150 "WS2812B-Mini" WS2812B-Mini 141.967,98.789 r285 top locked
LED151 "WS2812B-Mini" WS2812B-Mini 140.183,104.14 r293 top locked
LED152 "WS2812B-Mini" WS2812B-Mini 137.643,109.423 r300 top locked
LED153 "WS2812B-Mini" WS2812B-Mini 134.595,114.097 r306 top locked
LED154 "WS2812B-Mini" WS2812B-Mini 130.988,118.313 r315 top locked
LED155 "WS2812B-Mini" WS2812B-Mini 126.898,122.098 r321 top locked
LED156 "WS2812B-Mini" WS2812B-Mini 122.368,125.313 r329 top locked
LED157 "WS2812B-Mini" WS2812B-Mini 117.475,127.914 r335 top locked
LED158 "WS2812B-Mini" WS2812B-Mini 112.344,129.921 r342 top locked
LED159 "WS2812B-Mini" WS2812B-Mini 106.985,131.293 r349 top locked
LED160 "WS2812B-Mini" WS2812B-Mini 101.448,131.953 r357 top locked
LS1 "YS-SBZ9032C03R16" YS-SBZ9032C03R16 84.751,108.407 r235 bottom
LS2 "YS-SBZ9032C03R16" YS-SBZ9032C03R16 78.003,88.036 r90 bottom
LS3 "YS-SBZ9032C03R16" YS-SBZ9032C03R16 92.787,114.198 r0 bottom
LS4 "YS-SBZ9032C03R16" YS-SBZ9032C03R16 109.068,111.982 r340 bottom
LY1 "1uH" 1255AY-1R0N=P3 187.821,97.434 r0 bottom
LY2 "1uH" 1255AY-1R0N=P3 167.462,97.434 r0 bottom
P1 "Test Point" "TEST POINT" 16.335,80.188 r290 bottom locked
P2 "Test Point" "TEST POINT" 13.541,82.22 r180 bottom locked
P3 "Test Point" "TEST POINT" 20.094,79.426 r180 bottom locked
P4 "Test Point" "TEST POINT" 27.054,82.423 r184 bottom locked
P5 "Test Point" "TEST POINT" 24.133,80.188 r160 bottom locked
P6 "Test Point" "TEST POINT" 28.476,84.785 r180 bottom
P7 "Test Point" "TEST POINT" 11.814,84.734 r180 bottom
P8 "Test Point" "TEST POINT" 26.238,50.343 r0 top
P9 "Test Point" "TEST POINT" 21.895,50.343 r0 top
Q1 "BSS138LT1G" SOT23-3 103.81,99.314 r270 bottom
Q2 "BSS138LT1G" SOT23-3 92.1,96.469 r180 bottom
Q3 "BSS138LT1G" SOT23-3 98.628,103.276 r180 bottom
Q4 "BSS138LT1G" SOT23-3 105.004,94.056 r180 bottom
Q5 "BSS138LT1G" SOT23-3 91.785,90.666 r180 bottom
Q6 "BSS138LT1G" SOT23-3 187.096,105.207 r270 bottom
Q7 "BSS138LT1G" SOT23-3 166.581,105.207 r270 bottom
Q8 "MMBT3904-TP" SOT-23F 168.732,69.52 r0 top
QW1 "BSS138LT1G" SOT23-3 103.632,106.578 r0 bottom
QX1 "BSS138LT1G" SOT23-3 93.98,100.576 r180 bottom
QY1 "BSS138LT1G" SOT23-3 85.877,95.385 r270 bottom
QZ1 "BSS138LT1G" SOT23-3 98.476,106.832 r90 bottom
R1 "10K" Res-0201 103.403,101.448 r180 bottom
R2 "10K" Res-0201 105.791,99.289 r270 bottom
R3 "10K" Res-0201 93.269,98.146 r180 bottom
R4 "10K" Res-0201 91.211,94.412 r180 bottom
R5 "10K" Res-0201 96.342,101.879 r90 bottom
R6 "10K" Res-0201 101.016,102.027 r90 bottom
R7 "10K" Res-0201 106.197,95.656 r180 bottom
R8 "10K" Res-0201 104.165,91.999 r180 bottom
R9 "10K" Res-0201 92.888,92.329 r180 bottom
R10 "10K" Res-0201 90.579,88.621 r180 bottom
R11 "10K" Res-0201 188.955,105.258 r0 bottom
R12 "402K" Res0603 182.093,105.613 r180 bottom
R13 "100K" Res0402 184.391,105.486 r0 bottom
R14 "10K" Res-0201 168.432,105.156 r180 bottom
R15 "402K" Res0603 161.341,105.74 r180 bottom
R16 "100K" Res0402 163.665,105.613 r0 bottom
R17 "1M" Res0402 183.261,100.051 r180 bottom
R18 "1M" Res0402 162.484,100.025 r180 bottom
R19 "4.7K" Res-0201 97.904,94.794 r270 bottom
R20 "10K" Res-0201 192.301,110.554 r90 bottom
R21 "10K" Res-0201 195.351,102.9 r90 bottom
R22 "10K" Res-0201 196.215,102.895 r90 bottom
R23 "10K" Res-0201 183.083,109.296 r180 bottom
R24 "47R" Res-0201 94.92,102.489 r180 bottom
R25 "47R" Res-0201 84.252,96.599 r270 bottom
R26 "47R" Res-0201 100.127,107.823 r270 bottom
R27 "47R" Res-0201 102.535,104.953 r0 bottom
R28 "10K" Res-0201 96.393,100 r270 bottom
R29 "10K" Res-0201 87.884,96.188 r270 bottom
R30 "10K" Res-0201 96.469,105.994 r90 bottom
R31 "10K" Res-0201 102.853,108.687 r0 bottom
R32 "10K" Res-0201 161.239,70.587 r90 top
R33 "10K" Res-0201 155.397,70.587 r90 top
R34 "10K" Res-0201 177.216,70.587 r90 top
SB1 "Solder Bridge_H" "Solder Bridge throgh hole" 190.602,102.006 r0 bottom
SB2 "Solder Bridge_H" "Solder Bridge throgh hole" 170.104,102.006 r0 bottom
SB3 "Solder Bridge" "Solder Bridge" 98.387,100.533 r0 bottom
SB4 "Solder Bridge" "Solder Bridge" 95.313,96.725 r180 bottom
SB5 "Solder Bridge" "Solder Bridge" 159.69,125.374 r180 bottom
SB6 "Solder Bridge" "Solder Bridge" 159.893,119.761 r180 bottom
SB7 "Solder Bridge" "Solder Bridge" 159.817,114.021 r180 bottom
SB8 "Solder Bridge" "Solder Bridge" 166.091,125.324 r180 bottom
SB9 "Solder Bridge" "Solder Bridge" 188.189,123.622 r0 bottom
SB10 "Solder Bridge" "Solder Bridge" 188.163,122.098 r0 bottom
SB11 "Solder Bridge" "Solder Bridge" 168.275,115.519 r90 bottom
SB13 "Solder Bridge" "Solder Bridge" 187.808,109.906 r0 bottom
SB_L1 "Solder Bridge" "Solder Bridge" 102.057,102.794 r270 bottom
SB_L2 "Solder Bridge" "Solder Bridge" 101.397,100.559 r180 bottom
SB_L3 "Solder Bridge" "Solder Bridge" 89.535,96.241 r90 bottom
SB_L4 "Solder Bridge" "Solder Bridge" 90.297,98.476 r180 bottom
SB_L5 "Solder Bridge" "Solder Bridge" 89.027,90.957 r90 bottom
SB_L6 "Solder Bridge" "Solder Bridge" 89.738,93.294 r180 bottom
SB_L7 "Solder Bridge" "Solder Bridge" 107.29,91.186 r0 bottom
SB_L8 "Solder Bridge" "Solder Bridge" 108.001,93.472 r270 bottom
SBA1 "Solder Bridge" "Solder Bridge" 102.705,96.826 r0 bottom
SBB1 "Solder Bridge" "Solder Bridge" 102.527,93.88 r270 bottom
SBC1 "Solder Bridge" "Solder Bridge" 101.003,93.88 r270 bottom
SBD1 "Solder Bridge" "Solder Bridge" 99.479,93.88 r270 bottom
SW1 "PBS-110" PBS-110 184.752,126.187 r90 bottom
SW2 "B3U-1000P" B3U-1000P 96.279,92.686 r180 bottom
U1 "TPS61230DRCR" "10-VSON (3x3)" 184.134,103.07 r90 bottom
U2 "TPS61230DRCR" "10-VSON (3x3)" 163.617,103.051 r90 bottom
U3 "ATTINY1616-MNR" 20-QFN 99.187,97.358 r0 bottom
U4 "NCP186AMX330TAG" NCP186AMX330TAG 193.497,110.414 r180 bottom
U5 "PCF8563T/5,518" 8-SO 202.946,105.105 r180 bottom
U6 "TPS61240DRVR" TPS61240DRVR 184.633,110.82 r180 bottom
X1 "32.7680KHZ" CM200C32768DZFT 209.804,103.505 r0 bottom

## Footprints (in the part's own frame and the unit in brackets; to place one, negate y for a bottom-side part, rotate by r counter-clockwise, add the part's x,y. Pads: shape width x height; smd on the part's side, far side on the other; paste and mask are expansions set on the pad)
8-SO [mm] "IC RTC CLK/CALENDAR I2C 8-SOIC"
  rect 1.2x0.8 smd: 1(0,0) 2(0,-1.27) 3(0,-2.54) 4(0,-3.81) 5(5.5,-3.81) 6(5.5,-2.54) 7(5.5,-1.27) 8(5.5,0)
  silkscreen extent -1.2,-4.32 4.19,0.51, body extent -0.32,-4.36 5.46,0.55, height 1.45
"10-VSON (3x3)" [mm] "IC REG BOOST ADJ 4A 10VSON"
  rect 0.6x0.24 smd: 1(-1.4,1) 2(-1.4,0.5) 3(-1.4,0) 4(-1.4,-0.5) 5(-1.4,-1) 6(1.4,-1) 7(1.4,-0.5) 8(1.4,0) 9(1.4,0.5) 10(1.4,1)
  rect 1.6x2.15 smd: 11(0,0)
  silkscreen extent -2.26,-1.5 1.49,1.52, body extent -1.5,-1.5 1.5,1.5, height 1
20-QFN [mm] "IC MCU 8BIT 16KB FLASH 20VQFN"
  rect 0.8x0.2 smd: 1(-1.5,0.8) 2(-1.5,0.4) 3(-1.5,0) 4(-1.5,-0.4) 5(-1.5,-0.8) 11(1.5,-0.8) 12(1.5,-0.4) 13(1.5,0) 14(1.5,0.4) 15(1.5,0.8)
  rect 0.2x0.8 smd: 6(-0.8,-1.5) 7(-0.4,-1.5) 8(0,-1.5) 9(0.4,-1.5) 10(0.8,-1.5) 16(0.8,1.5) 17(0.4,1.5) 18(0,1.5) 19(-0.4,1.5) 20(-0.8,1.5)
  rect 1.8x1.8 smd: 21(0,0)
  silkscreen extent -2.41,-1.52 1.52,1.52, body extent -1.5,-1.5 1.5,1.5, height 0.59
1255AY-1R0N=P3 [mm] "FIXED IND 1UH 6.5A 10 MOHM SMD"
  rect 1.6x5.7 smd: 1(-2.35,0) 2(2.35,0)
  silkscreen extent -1.04,-2.97 1.04,3.02, body extent -3,-3 3,3, height 4.5
B3U-1000P [mm] "SWITCH TACTILE SPST-NO 0.05A 12V"
  rect 0.82x1.72 smd: 1(-1.7,0) 2(1.7,0)
  silkscreen extent -1.35,-1.37 1.32,1.37, body extent -2,-1.26 2,1.24, height 1.6
Cap0402 [mil]
  rect 18x25 smd: 1(-18.5,0) 2(18.5,0)
  silkscreen extent -32,-17 32,17, body extent -20,-10 20,10, height 19
Cap0603 [mil]
  rect 30x35 smd: 1(-30,0) 2(30,0)
  silkscreen extent -50,-22 50,22, body extent -32,-16 31,16, height 34
"CAP 0201" [mm]
  rect 0.3x0.3 smd: 1(-0.3,0) 2(0.3,0)
  silkscreen extent -0.53,-0.23 0.53,0.23, body extent -0.3,-0.15 0.3,0.15, height 0.28
CM200C32768DZFT [mm] "CRYSTAL 32.7680KHZ 12.5PF SMD"
  rect 1.3x1.9 smd: 1(-2.75,-1.6) 2(2.75,-1.6) 3(2.75,1.6) 4(-2.75,1.6)
  silkscreen extent -3.94,-3.46 3.95,1.82, body extent -4,-1.9 4,1.91, height 2.49
HCB1005MF-100T25 [mm] "10O @ 100MHz 2.5A 1 50mO 0402 Ferrite Beads RoHS"
  rect 0.5x0.6 smd: 1(0,0) 2(0.9,0)
  silkscreen extent -0.39,-0.44 1.29,0.44, body extent -0.09,-0.25 0.91,0.25, height 0.48
"IND 0201" [mm]
  rect 0.25x0.3 smd mask+0.055: 1(-0.275,0) 2(0.275,0)
  silkscreen extent -0.48,-0.23 0.48,0.23, body extent -0.3,-0.15 0.3,0.15, height 0.15
"IND 0402 (1005 Metric)" [mm] "FIXED IND 20NH 350MA 600 MOHM"
  rect 0.41x0.66 smd: 1(-0.505,0) 2(0.505,0)
  silkscreen extent -0.81,-0.43 0.81,0.43, body extent -0.5,-0.3 0.5,0.3, height 0.6
"IND 0603" [mm]
  rect 0.85x0.7 smd: 1(-0.825,0) 2(0.825,0)
  silkscreen extent -1.36,-0.47 1.35,0.47, body extent -0.8,-0.4 0.8,0.4, height 0.8
MCS0630-100MN1 [mm]
  rect 1.85x3.5 smd: 1(-2.775,0) 2(2.775,0)
  silkscreen extent -3.33,-3.65 3.33,3.65
NCP186AMX330TAG [mm]
  rect 0.37x0.28 smd: 1(-0.525,0.6) 2(-0.525,0.2) 3(-0.525,-0.2) 4(-0.525,-0.6) 5(0.525,-0.6) 6(0.525,-0.2) 7(0.525,0.2) 8(0.525,0.6)
  rect 0.44x1.44 smd: 9(0,0)
  silkscreen extent -1.02,-0.89 0.56,0.89, body extent -0.6,-0.8 0.6,0.8, height 0.39
PBS-110 [mm]
  rect 3x1 smd: 1(0,0) 2(0,4.1)
PZ254V-11-05P [mm] "Through Hole,P=2.54mm"
  rect 2x2 hole 1.02: 1(-5.08,0)
  round 2 hole 1.02: 2(-2.54,0) 3(0,0) 4(2.54,0) 5(5.08,0)
  silkscreen extent -6.35,-2.54 6.35,1.27, body extent -6.35,-1.27 6.35,1.27, height 8.64
Res0402 [mil]
  rect 18x25 smd: 1(-18.5,0) 2(18.5,0)
  silkscreen extent -32,-17 32,17, body extent -23,-11 23,11, height 16
Res0603 [mil]
  rect 30x35 smd: 1(-30,0) 2(30,0)
  silkscreen extent -50,-22 50,22, body extent -31,-17 31,17, height 18
Res-0201 [mm]
  rect 0.27x0.37 smd: 1(-0.275,0) 2(0.275,0)
  silkscreen extent -0.48,-0.25 0.48,0.25, body extent -0.3,-0.15 0.3,0.15, height 0.29
"Solder Bridge" [mil] "Solder Bridge ON"
  rect 30x35 smd: 1(-30,0) 2(30,0)
  silkscreen extent -50,-22 50,22
"Solder Bridge throgh hole" [mm]
  rect 1.5x1.5 hole 0.9: 1(-2.54,0)
  round 1.5 hole 0.9: 2(0,0)
  silkscreen extent -3.81,-1.27 1.27,1.27
SOT23-3 [mm] "SOT23, 3-Leads, Body 2.9x1.3mm, Pitch 0.95mm, Lead Span 2.3mm - Reverse Pinning, IPC High Density"
  rect 0.8x0.8 smd: 1(-0.95,-1.075) 2(0.95,-1.075) 3(0,1.075)
  silkscreen extent -1.88,-1.85 1.63,0.81, body extent -1.5,-1.25 1.5,1.25, height 1.05
SOT-23F [mm]
  rect 0.8x0.9 smd: 1(-0.95,-1.05) 2(0.95,-1.05) 3(0,1.05)
  silkscreen extent -1.84,-1.23 1.47,0.86, body extent -1.45,-1.2 1.45,1.2, height 0.89
"TEST POINT" [mil]
  oct 60x60 smd: 1(0,0)
  silkscreen extent -37,-37 37,37
"THT PAD" [mm]
  round 1.6 hole 1: 1(0,0) 2(2.54,0)
  silkscreen extent -1.07,-1.07 3.61,1.09
TPS61240DRVR [mm] "IC REG BOOST 5V 500MA 6SON"
  rect 0.45x0.3 smd: 1(-0.975,0.65) 2(-0.975,0) 3(-0.975,-0.65) 4(0.975,-0.65) 5(0.975,0) 6(0.975,0.65)
  rect 1x1.6 smd: 7(0,0)
  silkscreen extent -1.78,-1.02 0.89,1.02, body extent -1,-1 1,1, height 0.8
WS2812B-Mini [mm] "SMD,3.5x3.5mm Light Emitting Diodes (LED) RoHS"
  rect 1.5x1 smd: 1(-1.64,0.79) 2(-1.64,-0.79) 3(1.64,-0.79) 4(1.64,0.79)
  silkscreen extent -3.05,-1.78 1.78,1.78, body extent -1.84,-1.74 1.84,1.74, height 1.95
YS-SBZ9032C03R16 [mm] "NO 2700Hz 85dB @ 3V, 10cm 3V F9mm SMD,9x3.2mm Buzzers RoHS"
  rect 2.5x1.5 smd: 1(0,0) 2(8,0)
  silkscreen extent -2.67,-4.82 10.57,4.95